# Altium PCB ER100_Driver.PcbDoc (part 1 of 2) (continued)
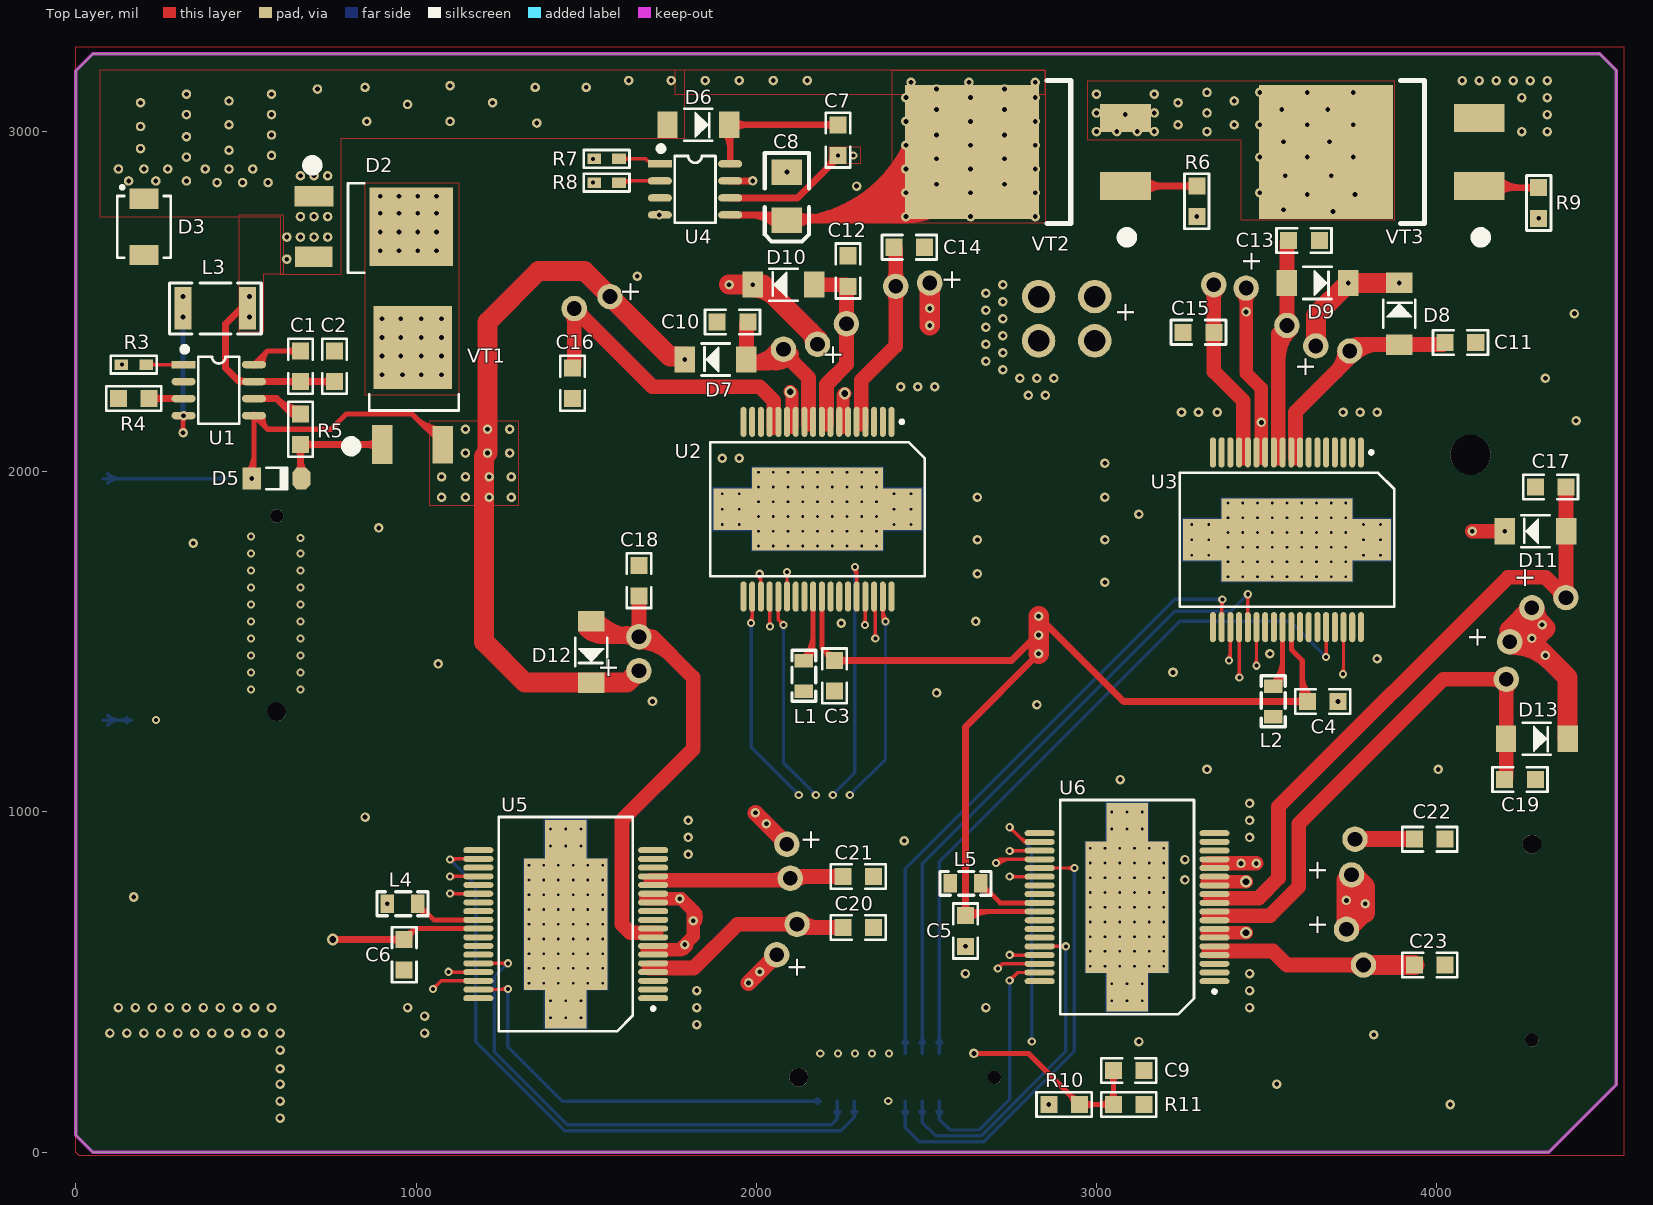
[diagram p0: Top Layer view]
## Footprints (in the part's own frame and the unit in brackets; to place one, negate y for a bottom-side part, rotate by r counter-clockwise, add the part's x,y. Pads: shape width x height; smd on the part's side, far side on the other; paste and mask are expansions set on the pad)
B2B_1.27_Female [mm]
  round 1 hole 1 unplated: 0(0,0)
  round 1.4 hole 1.4 unplated: 0(0,14.605)
  rect 2x0.78 smd: 1(1.778,13.005) 2(1.778,11.735) 3(1.778,10.465) 4(1.778,9.195) 5(1.778,7.925) 6(1.778,6.655) 7(1.778,5.385) 8(1.778,4.115) 9(1.778,2.845) 10(1.778,1.575) 11(-1.778,1.575) 12(-1.778,2.845) 13(-1.778,4.115) 14(-1.778,5.385) 15(-1.778,6.655) 16(-1.778,7.925) 17(-1.778,9.195) 18(-1.778,10.465) 19(-1.778,11.735) 20(-1.778,13.005)
  silkscreen extent -3,-0.64 3,15.88
"C 0805" [mil]
  rect 50x50 smd: 1(-45,0) 2(45,0)
  silkscreen extent -81,-36 81,36, body extent -39,-24 39,24, height 20
"CP 3528B" [mil]
  rect 75x90 smd: 1(-70.86,0) 2(70.87,0)
  silkscreen extent -132,-65 128,65, body extent -69,-55 69,55, height 75
DO-214AA [mm] "Molded Diode, 2-Leads, Body 4.31x3.62mm, IPC Medium Density"
  rect 1.5x2.15 smd: 1(-2.1,0) 2(2.1,0)
  silkscreen extent -2.3,-2 3.07,2, body extent -2.29,-1.97 2.28,1.97, height 2.44
DO-214AC [mil]
  rect 60x76.77 smd: 1(-91.03,0) 2(90.07,0)
  silkscreen extent -42,-47 41,47, body extent -84,-47 83,47, height 118
"L 0805" [mil]
  rect 40x55 smd: 1(-45,0) 2(45,0)
  silkscreen extent -75,-35 75,35, body extent -39,-24 39,24, height 35
"L 1812" [mil]
  rect 50x125 smd: 1(-95,0) 2(95,0)
  silkscreen extent -135,-75 135,75, body extent -89,-63 89,63, height 59
LED_0805 [mil]
  rect 60x50 smd: 1(-50,0)
  oct 60x50 smd: 2(50,0)
  silkscreen extent -90,-35 105,35, body extent -39,-25 39,25, height 32
LL34 [mm]
  rect 1.37x1.62 smd: 1(-1.855,0)
  oct 1.37x1.62 smd: 2(1.855,0)
  silkscreen extent -0.76,-0.8 0.78,0.8, body extent -1.7,-0.75 1.7,0.75, height 1.5
PowerSO-36 [mm] "SOP, 36-Leads, Body 15.90x11.00mm, Pitch 0.65mm, Thermal Pad 9.80.2x6.20.2mm, IPC Medium Density"
  rect 3.1x3.1 smd: 0(-6.223,0) 0(6.223,0)
  rect 9.8x6.2 smd: 0(0,0)
  oval 0.45x2.25 smd: 1(-5.525,-6.525) 2(-4.875,-6.525) 3(-4.225,-6.525) 4(-3.575,-6.525) 5(-2.925,-6.525) 6(-2.275,-6.525) 7(-1.625,-6.525) 8(-0.975,-6.525) 9(-0.325,-6.525) 10(0.325,-6.525) 11(0.975,-6.525) 12(1.625,-6.525) 13(2.275,-6.525) 14(2.925,-6.525) 15(3.575,-6.525) 16(4.225,-6.525) 17(4.875,-6.525) 18(5.525,-6.525) 19(5.525,6.525) 20(4.875,6.525) 21(4.225,6.525) 22(3.575,6.525) 23(2.925,6.525) 24(2.275,6.525) 25(1.625,6.525) 26(0.975,6.525) 27(0.325,6.525) 28(-0.325,6.525) 29(-0.975,6.525) 30(-1.625,6.525) 31(-2.275,6.525) 32(-2.925,6.525) 33(-3.575,6.525) 34(-4.225,6.525) 35(-4.875,6.525) 36(-5.525,6.525)
  Bottom Layer region: -7.874,-1.651 -4.826,-1.651 -4.826,1.651 -7.874,1.651
  Bottom Layer region: -4.953,-3.175 4.953,-3.175 4.953,3.175 -4.953,3.175
  Bottom Layer region: 4.826,-1.651 7.874,-1.651 7.874,1.651 4.826,1.651
  silkscreen extent -8,-6.65 8,5, body extent -8,-7.03 8,7.03, height 3.6
"R 0603" [mil]
  rect 40x31.5 smd: 1(-36.5,0) 2(36.5,0)
  silkscreen extent -67,-26 68,26, body extent -31,-16 31,16, height 16
"R 0805" [mil]
  rect 50x50 smd: 1(-45,0) 2(45,0)
  silkscreen extent -81,-36 81,36, body extent -39,-25 39,25, height 20
SMT_Connector [mil]
  rect 150x190 smd: 1(0,0)
  silkscreen extent -100,-125 100,125
SOP8 [mm]
  rect 1.8x0.55 smd: 1(-2.625,1.905)
  oval 1.8x0.55 smd: 2(-2.625,0.635) 3(-2.625,-0.635) 4(-2.625,-1.905) 5(2.625,-1.905) 6(2.625,-0.635) 7(2.625,0.635) 8(2.625,1.905)
  silkscreen extent -2.69,-2.5 1.52,3.2, body extent -3,-2.5 3,2.5, height 1.9
TO252 [mil]
  rect 60x115 smd: 1(-89.55,-119.77)
  rect 230x245 smd: 2(0,165.35)
  rect 60x110 smd: 3(88.45,-120.77)
  silkscreen extent -196,-140 135,28, body extent -127,-120 129,251, height 91
TO252_DIO [mil]
  rect 60x115 smd: 1(-89.55,-119.77)
  rect 60x110 smd: 1(88.45,-120.77)
  rect 230x245 smd: 2(0,165.35)
  silkscreen extent -196,-140 135,28, body extent -127,-120 129,251, height 91
TO263-3B [mm]
  rect 2.1x3.8 smd: 1(-2.54,-5.725) 3(2.54,-5.725)
  rect 10x10 smd: 2(0,5.725)
  silkscreen extent -6.75,-6.21 5.33,0.14, body extent -5,-5.74 5,9.19, height 4.5

## Part data
C1 C2 C3 C4 C5 C6 C7 C9 C10 C11 C12 C13 C14 C15 C16 C17 C18 C19 C20 C21 C22 C23: library part Cap, "无极性电容"
C8: library part Cap_Pol, "极性电容"
D1 D4: library part LED, "发光二极管"
D2 D6 D7 D8 D9 D10 D11 D12 D13: library part Diode, "二极管"
D3: library part P6SMBXX, "BiDir TVS Diode"
D5: library part Diode_Zener
J1 J2 J3 J4: "表贴接线端"
J5 J6 J7: library part B2B_1.27_Female, "板对板连接器 母头"
L1 L2 L4 L5: "电感"
L3: library part Inductor, "电感"
R1 R2 R3 R4 R5 R6 R7 R8 R9 R10 R11: library part Resistor, "电阻"
U1: "B2B MOSFET Driver"
U2 U3 U5 U6: "4路电磁阀驱动"
U4: "Half-Bridge Gate Driver"
VT1 VT2 VT3: library part PowerMos_N

## Free pads (board coordinates)
  round 28 hole 14: 0(710,3125) 0(2150,3150) 0(3470,848.83) 1(2530,3125) 1(3425,848.83) 2(2730,3125) 3(2625,3145) 3(3000,3055) 4(2455,3145) 4(3000,3000) 5(2820,3145) 5(3060,3000) 6(3120,3000) 7(3170,3000) 8(3170,3055) 9(3170,3110) 12(3085,3050) 13(3000,3110) 14(3240,3085) 15(3240,3020) 16(3325,3115) 17(3325,3055) 18(3325,3000) 19(3405,3020) 20(3405,3090) 21(1075,1985) 22(1145,2055) 23(1145,2125) 24(1210,2125) 25(1275,2125) 26(1210,2055) 27(1275,2055) 28(1145,1985) 29(1215,1985) 30(1280,1985) 30(1850,3150) 31(1280,1925) 31(1950,3150) 32(1215,1925) 32(2050,3150) 33(1145,1925) 34(1075,1925) 42(2435,915) 43(1750,3150) 49(660,2750) 50(740,2750) 51(700,2690) 52(660,2690) 53(740,2690) 54(660,2870) 55(700,2870) 56(740,2870) 57(700,2750) 59(620,2625) 60(620,2690) 61(325,3110) 62(325,2925) 63(325,2985) 64(325,3050) 65(575,2930) 66(575,2990) 67(575,3050) 68(575,3110) 69(450,2890) 70(520,2890) 71(380,2890) 72(270,2890) 73(200,2890) 74(125,2890) 75(155,2855) 76(235,2855) 77(325,2855) 78(415,2850) 79(490,2850) 80(565,2850) 81(850,3130) 82(855,3030) 83(975,3080) 84(1100,3135) 85(1100,3030) 86(1225,3085) 87(1350,3130) 88(1355,3025) 89(1500,3130) 90(1625,3150) 91(450,3090) 92(450,3020) 93(190,3085) 94(190,3015) 95(190,2950) 96(450,2945) 105(895,2810) 106(950,2810) 107(1005,2810) 108(1060,2810) 109(895,2760) 110(950,2760) 111(1005,2760) 112(1060,2760) 113(895,2705) 114(950,2705) 115(1005,2705) 116(1060,2705) 117(895,2650) 118(950,2650) 119(1005,2650) 120(1060,2650) 121(900,2450) 122(955,2450) 123(1015,2450) 124(1075,2450) 125(900,2395) 126(955,2395) 127(1015,2395) 128(1075,2395) 129(900,2340) 130(955,2340) 131(1015,2340) 132(1075,2340) 133(1075,2285) 134(1015,2285) 135(960,2285) 136(900,2285)
  round 118.11 hole 118.11 unplated: 0(4100,2050)
  round 74.8 hole 43.31: 1(1465,2480) 2(1570,2515) 3(1655,1415) 4(1655,1515) 5(2060,580) 6(2120,670) 7(2100,805) 8(2090,905) 9(2510,2555) 10(2410,2545) 11(2265,2435) 12(2180,2375) 13(2080,2360) 14(3345,2550) 15(3440,2540) 16(3560,2430) 17(3645,2370) 18(3745,2355) 19(3735,655) 20(3785,550) 21(3750,815) 22(3760,920) 23(4205,1390) 24(4215,1500) 25(4280,1600) 26(4380,1630)
  round 98.43 hole 62.99: 27(2830,2385) 28(2830,2515) 29(2995,2385) 30(2995,2515)

## Via types
v1: diameter 19.68, hole 7.87, Top Layer to Bottom Layer, 264 vias
v2: diameter 28, hole 14, Top Layer to Bottom Layer, 205 vias
v3: diameter 24, hole 12, Top Layer to Bottom Layer, 69 vias
v4: diameter 35, hole 20, Top Layer to Bottom Layer, 5 vias

## Nets (pads, with @x,y where several pads share a name; then routed paths per layer and width w, separated by ;. In a path a pad name is that pad's centre, name@x,y a point inside that pad or via, vN(x,y) a via of type N, cw(c..) or ccw(c..) an arc to the next point about the centre after c; other vN are vias at no path point)
CTGND_1: L1.1 U2.27 | length 350.9
  Top Layer w15: L1.1@2138.66,1453.84 ccw(c2069.75,1522.75) 2167.2,1522.75 ; L1.1@2140,1445 2167.2,1472.2 ; L1.1@2149.27,1443.23 ccw(c2105.96,1486.54) 2167.2,1486.54 ; L1.1@2159.75,1447.48 cw(c2186.51,1452.9) 2167.2,1472.2 ; U2.27@2167.2,1633.11 2167.2,1472.2
CTGND_2: L2.1 U3.27 | length 335.9
  Top Layer w15: L2.1@3518.66,1378.84 ccw(c3449.75,1447.75) 3547.2,1447.75 ; L2.1@3520,1370 3547.2,1397.2 ; L2.1@3529.27,1368.23 ccw(c3485.96,1411.54) 3547.2,1411.54 ; L2.1@3539.75,1372.48 cw(c3566.51,1377.9) 3547.2,1397.2 ; U3.27@3547.2,1543.11 3547.2,1397.2
CTGND_3: L4.1 U5.27 | length 235.6
  Top Layer w15: L4.1@1005,710 cw(c1005,661.72) 1039.14,695.86 ; L4.1@1005,730 1052.2,682.8 U5.27@1183.11,682.8
CTGND_4: L5.1 U6.27 | length 234.7
  Top Layer w15: L5.1@2660,770 cw(c2660,721.72) 2694.14,755.86 ; L5.1@2660,790 2717.2,732.8 U6.27@2833.11,732.8
DRI1_ENA: J5.9 U2.24 | length 1619.1
  Top Layer w10: v3@2085.05,1700.05 cw(c2072.05,1687.05) 2090.43,1687.05 ; U2.24@2087.7,1671.27 ccw(c2081.12,1677.86) 2090.43,1677.86 ccw(c2099.75,1677.86) U2.24@2093.16,1671.27 ; v3(2090,1705) 2090.43,1704.57 U2.24@2090.43,1633.11 ; 2090.43,1689.15 cw(c2105.85,1689.15) v3@2094.95,1700.05
  MidLayer2 w10: v3@660,1753 cw(c660,1736.1) 671.95,1748.05 cw(c683.9,1760) v3@667,1760 ; v3(660,1760) 685,1735 2060,1735 v3(2090,1705) ; v3@2083,1705 ccw(c2066.1,1705) 2078.05,1716.95 ccw(c2090,1728.9) v3@2090,1712
DRI2_ENA: J5.2 U3.24 | length 3273.8
  Top Layer w10: v3@3465.05,1434.95 ccw(c3452.05,1447.95) 3470.43,1447.95 ; U3.24@3467.7,1504.95 cw(c3461.12,1498.36) 3470.43,1498.36 cw(c3479.75,1498.36) U3.24@3473.16,1504.95 ; v3@3470.43,1430.43 U3.24@3470.43,1543.11 ; 3470.43,1445.85 ccw(c3485.85,1445.85) v3@3474.95,1434.95
  MidLayer2 w10: v3@660,1403 cw(c660,1386.1) 671.95,1398.05 cw(c683.9,1410) v3@667,1410 ; v3(660,1410) 861,1209 3389,1209 3470,1290 v3(3470,1430) ; v3@3465.05,1425.05 cw(c3453.1,1413.1) 3470,1413.1 cw(c3486.9,1413.1) v3@3474.95,1425.05
DRI3_ENA: J5.14 U5.24 | length 1621.1
  Top Layer w10: v3@1100.43,759.57 U5.24@1183.11,759.57 ; v3@1104.95,755.05 cw(c1115.85,744.15) 1115.85,759.57 ; v3@1104.95,764.95 ccw(c1117.95,777.95) 1117.95,759.57 ; U5.24@1144.95,756.84 ccw(c1138.36,750.25) 1138.36,759.57 ccw(c1138.36,768.88) U5.24@1144.95,762.3
  MidLayer2 w10: v3@508,1660 cw(c491.1,1660) 503.05,1648.05 cw(c515,1636.1) v3@515,1653 ; v3(515,1660) 370,1515 370,1179.79 789.79,760 v3(1100,760) ; v3@1095.05,755.05 ccw(c1083.1,743.1) 1083.1,760 ccw(c1083.1,776.9) v3@1095.05,764.95
DRI4_ENA: J5.18 U6.24 | length 2938.3
  Top Layer w10: v3(2745,810) 2745.43,809.57 U6.24@2833.11,809.57 ; v3@2749.95,805.05 cw(c2760.85,794.15) 2760.85,809.57 ; v3@2749.95,814.95 ccw(c2762.95,827.95) 2762.95,809.57 ; U6.24@2794.95,806.84 ccw(c2788.36,800.25) 2788.36,809.57 ccw(c2788.36,818.88) U6.24@2794.95,812.3
  MidLayer2 w10: v3@508,1460 cw(c491.1,1460) 503.05,1448.05 cw(c515,1436.1) v3@515,1453 ; v3(515,1460) 438,1383 438,1207.96 504.96,1141 2364,1141 2695,810 v3(2745,810) ; v3@2740.05,805.05 ccw(c2728.1,793.1) 2728.1,810 ccw(c2728.1,826.9) v3@2740.05,814.95
L_STB1: C10.1 D7.1 pad.13@2080,2360 U2.10 U2.11 | length 757.7
  Top Layer w43.31: C10.1@1975,2440 1971.03,2436.03 D7.1@1971.03,2330 D7.1@1981.03,2320 ; 2057.91,2320 ccw(c2057.91,2373.38) pad.13@2103.57,2345.72 ; pad.13@2064.25,2360 cw(c2026.23,2360) 2053.12,2333.12 cw(c2080,2306.23) pad.13@2080,2344.25 ; pad.13@2066.53,2368.16 cw(c1981.03,2419.97) D7.1@1981.03,2320 ; pad.13@2095.75,2360 ccw(c2157.91,2360) 2113.95,2316.05 ; 2153.54,2140 2153.54,2276.46 2080,2350 pad.13@2080,2360 2040,2320 D7.1@1981.03,2320
L_STB2: C12.1 D10.1 pad.11 U2.8 U2.9 | length 651.8
  Top Layer w43.31: D10.1@2171.03,2550 2265,2550 C12.1@2270,2545 2265,2540 pad.11@2265,2435 2265,2315 2206.46,2256.46 2206.46,2140 ; pad.11@2253.86,2423.86 cw(c2226.98,2396.98) 2265,2396.98 cw(c2303.02,2396.98) pad.11@2276.14,2423.86 ; pad.11@2253.86,2446.14 ccw(c2226.98,2473.02) 2265,2473.02 ccw(c2303.02,2473.02) pad.11@2276.14,2446.14
L_TC: C18.1 D12.1 pad.4@1655,1515 U5.8 U5.9 | length 1983.8
  Top Layer w43.31: D12.1@1498.66,1536.31 ccw(c1550.11,1587.75) 1550.11,1515 ; D12.1@1515,1561.03 1561.03,1515 pad.4@1655,1515 ; D12.1@1529.29,1566.93 ccw(c1654.66,1692.31) pad.4@1654.66,1515 ; D12.1@1531.73,1561.03 ccw(c1572.13,1561.03) D12.1@1543.56,1532.47 ; 1618.05,1524.81 ccw(c1627.97,1561.82) pad.4@1647.13,1528.64 ; 1618.46,1524.7 cw(c1608.69,1488.27) pad.4@1641.36,1507.13 ; pad.4@1643.86,1503.86 ccw(c1616.98,1476.98) 1616.98,1515 ccw(c1616.98,1553.02) 1643.86,1526.14 ccw(c1616.98,1553.02) 1655,1553.02 ccw(c1693.02,1553.02) 1666.14,1526.14 ccw(c1693.02,1553.02) 1693.02,1515 ccw(c1693.02,1476.98) pad.4@1666.14,1503.86 ; pad.4@1655,1499.25 cw(c1655,1364.66) 1750.17,1459.83 ; C18.1@1655,1635 pad.4@1655,1515 ; 1705,645 1630,645 1605,670 1605,975 1815,1185 1815,1395 1695,1515 pad.4@1655,1515
LB_INP: C22.1 pad.0@3470,848.83 pad.1@3425,848.83 pad.22@3760,920 U6.14 U6.15 | length 679.5
  Top Layer w43.31: 3330,848.83 pad.0@3470,848.83
  Top Layer w47.24: pad.22@3760,920 C22.1@3935,920
  MidLayer2 w47.24: pad.1@3425,848.83 3558.83,848.83 3630,920 pad.22@3760,920
LB_OUP: C15.2 pad.14@3345,2550 U3.14 U3.15 | length 605.4
  Top Layer w43.31: pad.14@3333.86,2538.86 cw(c3306.98,2511.98) 3345,2511.98 cw(c3383.02,2511.98) pad.14@3356.14,2538.86 ; pad.14@3345,2550 C15.2@3345,2410 3345,2295 3431.17,2208.83 3431.17,2040
LBI_PWM: J5.19 U6.22 | length 2909
  Top Layer w10: v3@2702.88,852.12 cw(c2723.71,831.29) 2723.71,860.75 ; v3(2705,850) 2715.75,860.75 ; v3@2705.54,856.98 ccw(c2706.55,869.94) 2715.75,860.75 ; v3@2709.95,845.05 cw(c2747.85,807.15) 2747.85,860.75 ; v3@2711.98,850.54 cw(c2724.94,851.55) 2715.75,860.75 ; U6.22@2794.95,858.02 ccw(c2788.36,851.43) 2788.36,860.75 ccw(c2788.36,870.06) U6.22@2794.95,863.48 ; U6.22@2833.11,860.75 2715.75,860.75
  MidLayer2 w10: v3@508,1410 cw(c491.1,1410) 503.05,1398.05 cw(c515,1386.1) v3@515,1403 ; v3(515,1410) 455,1350 455,1215 512,1158 2397,1158 v3(2705,850) ; v3@2698,850 ccw(c2681.1,850) 2693.05,861.95 ccw(c2705,873.9) v3@2705,857
LBI_STA: J6.5 U6.20 | length 1477.1
  Top Layer w10: v3@2745,948 cw(c2745,931.1) 2756.95,943.05 cw(c2768.9,955) v3@2752,955 ; v3(2745,955) 2788.07,911.93 U6.20@2833.11,911.93 ; 2774.69,925.31 ccw(c2797.68,948.29) U6.20@2797.68,915.79 ; U6.20@2794.95,909.2 ccw(c2788.36,902.61) 2788.36,911.93 ccw(c2788.36,921.24) U6.20@2794.95,914.66
  MidLayer2 w10: v3(2388,150) 2715,150 2810,245 v3(2810,325) ; v3@2392.95,145.05 cw(c2404.9,133.1) 2404.9,150 cw(c2404.9,166.9) v3@2392.95,154.95 ; v3@2805.05,320.05 cw(c2793.1,308.1) 2810,308.1 cw(c2826.9,308.1) v3@2814.95,320.05
  Bottom Layer w10: v3@2745,948 cw(c2745,931.1) 2756.95,943.05 cw(c2768.9,955) v3@2752,955 ; v3(2745,955) 2810,890 v3(2810,325) ; v3@2805.05,329.95 ccw(c2793.1,341.9) 2810,341.9 ccw(c2826.9,341.9) v3@2814.95,329.95
LBO_PWM: J5.3 U3.22 | length 3164.3
  Top Layer w10: v3@3415.05,1399.95 ccw(c3403.1,1411.9) 3420,1411.9 ccw(c3436.9,1411.9) v3@3424.95,1399.95 ; U3.22@3416.52,1504.95 cw(c3408.13,1496.56) 3420,1496.56 ; U3.22@3419.25,1543.11 3420,1542.36 v3(3420,1395)
  MidLayer2 w10: v3@660,1453 cw(c660,1436.1) 671.95,1448.05 cw(c683.9,1460) v3@667,1460 ; v3(660,1460) 894,1226 3251,1226 v3(3420,1395) ; v3@3413,1395 cw(c3396.1,1395) 3408.05,1383.05 cw(c3420,1371.1) v3@3420,1388
LBO_STA: J6.15 U3.20 | length 1992.7
  Top Layer w10: v3@3365.05,1620.05 cw(c3357.76,1612.76) 3368.07,1612.76 ; U3.20@3365.34,1581.27 ccw(c3358.76,1587.86) 3368.07,1587.86 ccw(c3377.39,1587.86) U3.20@3370.8,1581.27 ; U3.20@3368.07,1543.11 3368.07,1623.07 v3(3370,1625) ; 3368.07,1603.44 cw(c3391.56,1603.44) v3@3374.95,1620.05
  Bottom Layer w10: J6.15@2430.68,321.34 ccw(c2413,339.01) 2438,339.01 ccw(c2463,339.01) J6.15@2445.32,321.34 ; J6.15@2438,290 2438,833 3230,1625 v3(3370,1625) ; v3@3365.05,1620.05 ccw(c3353.1,1608.1) 3353.1,1625 ccw(c3353.1,1641.9) v3@3365.05,1629.95
LF_INP: C20.1 pad.6@2120,670 U5.4 U5.5 | length 743.9
  Top Layer w43.31: 1685,541.17 1816.17,541.17 1945,670 pad.6@2120,670 2130,660 C20.1@2255,660 ; pad.6@2108.86,658.86 ccw(c2081.98,631.98) 2081.98,670 ccw(c2081.98,708.02) pad.6@2108.86,681.14 ; pad.6@2131.14,681.14 ccw(c2182.16,732.16) 2182.16,660
LF_OUP: C16.1 pad.1@1465,2480 U2.14 U2.15 | length 1073.8
  Top Layer w43.31: pad.1@1453.86,2468.86 cw(c1426.98,2441.98) 1465,2441.98 cw(c1503.02,2441.98) pad.1@1476.14,2468.86 ; C16.1@1460,2305 1465,2310 pad.1@1465,2480 1695,2250 2010,2250 2051.17,2208.83 2051.17,2130 ; pad.1@1465,2464.25 cw(c1465,2426.23) 1491.88,2453.12 cw(c1518.77,2480) pad.1@1480.75,2480
LFI_PWM: J5.13 U5.33 | length 1795.3
  Top Layer w10: v3(1095,530) 1095.75,529.25 U5.33@1183.11,529.25 ; v3@1099.95,525.05 cw(c1110.09,514.91) 1110.09,529.25 ; v3@1099.95,534.95 ccw(c1113.71,548.71) 1113.71,529.25 ; U5.33@1144.95,526.52 ccw(c1138.36,519.94) 1138.36,529.25 ccw(c1138.36,538.57) U5.33@1144.95,531.98
  MidLayer2 w10: v3@508,1710 cw(c491.1,1710) 503.05,1698.05 cw(c515,1686.1) v3@515,1703 ; v3(515,1710) 353,1548 353,1172.75 995.75,530 v3(1095,530) ; v3@1090.05,525.05 ccw(c1078.1,513.1) 1078.1,530 ccw(c1078.1,546.9) v3@1090.05,534.95
LFI_STA: J6.1 U5.35 | length 1349
  Top Layer w10: U5.35@1183.11,478.07 1268.07,478.07 v3(1270,480) ; U5.35@1221.27,475.34 cw(c1227.86,468.76) 1227.86,478.07 cw(c1227.86,487.39) U5.35@1221.27,480.8 ; 1248.44,478.07 ccw(c1248.44,501.56) v3@1265.05,484.95 ; 1257.76,478.07 cw(c1257.76,467.76) v3@1265.05,475.05
  Bottom Layer w10: v3@1265.05,475.05 cw(c1253.1,463.1) 1270,463.1 cw(c1286.9,463.1) v3@1274.95,475.05 ; v3(1270,480) 1270,310 1430,150 J6.1@2188,150 ; J6.1@2180.68,142.68 ccw(c2163,125) 2163,150 ccw(c2163,175) J6.1@2180.68,157.32
LFO_PWM: J5.6 U2.22 | length 1609.2
  Top Layer w10: v3@2035.05,1549.95 ccw(c2023.1,1561.9) 2040,1561.9 ccw(c2056.9,1561.9) v3@2044.95,1549.95 ; U2.22@2036.52,1594.95 cw(c2028.13,1586.56) 2040,1586.56 ; U2.22@2039.25,1633.11 2040,1632.36 v3(2040,1545)
  MidLayer2 w10: v3(660,1610) 690,1640 1945,1640 v3(2040,1545) ; v3@660,1617 ccw(c660,1633.9) 671.95,1621.95 ccw(c683.9,1610) v3@667,1610 ; v3@2033,1545 ccw(c2016.1,1545) 2028.05,1556.95 ccw(c2040,1568.9) v3@2040,1552
LFO_STA: J6.19 U2.20 | length 1592.3
  Top Layer w10: v3@1980.05,1559.95 ccw(c1960.69,1579.31) 1988.07,1579.31 ; v3(1985,1555) 1988.07,1558.07 U2.20@1988.07,1633.11 ; U2.20@1985.34,1594.95 cw(c1978.76,1588.36) 1988.07,1588.36 cw(c1997.39,1588.36) U2.20@1990.8,1594.95
  MidLayer2 w10: v3@2125,1043 cw(c2125,1026.1) 2136.95,1038.05 cw(c2148.9,1050) v3@2132,1050 ; v3(2125,1050) 2240,935 v3(2240,290) ; v3@2235.05,294.95 ccw(c2223.1,306.9) 2240,306.9 ccw(c2256.9,306.9) v3@2244.95,294.95
  Bottom Layer w10: v3@1980.05,1550.05 cw(c1968.1,1538.1) 1985,1538.1 cw(c2001.9,1538.1) v3@1989.95,1550.05 ; v3(1985,1555) 1985,1190 v3(2125,1050) ; v3@2118,1050 ccw(c2101.1,1050) 2113.05,1061.95 ccw(c2125,1073.9) v3@2125,1057
LSTB1_PWM: J5.8 U2.21 | length 1548
  Top Layer w10: v3@2005.05,1695.05 cw(c1984.26,1674.26) U2.21@2013.66,1674.26 ; v3(2010,1700) 2013.66,1696.34 U2.21@2013.66,1633.11 ; U2.21@2010.93,1671.27 ccw(c2004.35,1677.86) 2013.66,1677.86 ccw(c2022.98,1677.86) U2.21@2016.39,1671.27
  MidLayer2 w10: v3(660,1710) 2000,1710 v3(2010,1700) ; v3@664.95,1705.05 cw(c676.9,1693.1) 676.9,1710 cw(c676.9,1726.9) v3@664.95,1714.95 ; 1968.96,1710 cw(c1968.96,1658.96) v3@2005.05,1695.05 ; 1993.1,1710 cw(c1993.1,1683.1) v3@2012.12,1702.12
LSTB1_STA: J6.18 U2.23 | length 1583.7
  Top Layer w10: U2.23@2062.11,1594.95 cw(c2055.15,1587.98) 2065,1587.98 ; U2.23@2064.84,1633.11 2065,1632.95 2065,1565 v3(2080,1550) ; 2065,1588.74 cw(c2073.78,1588.74) U2.23@2067.57,1594.95 ; v3@2073,1550 ccw(c2056.1,1550) 2068.05,1561.95 ccw(c2080,1573.9) v3@2080,1557
  MidLayer2 w10: v3@2175,1043 cw(c2175,1026.1) 2186.95,1038.05 cw(c2198.9,1050) v3@2182,1050 ; v3(2175,1050) 2290,935 v3(2290,290) ; v3@2285.05,294.95 ccw(c2273.1,306.9) 2290,306.9 ccw(c2306.9,306.9) v3@2294.95,294.95
  Bottom Layer w10: v3@2075.05,1545.05 cw(c2063.1,1533.1) 2080,1533.1 cw(c2096.9,1533.1) v3@2084.95,1545.05 ; v3(2080,1550) 2080,1145 v3(2175,1050) ; v3@2168,1050 ccw(c2151.1,1050) 2163.05,1061.95 ccw(c2175,1073.9) v3@2175,1057
LSTB2_PWM: J5.5 U2.34 | length 1984.3
  Top Layer w10: U2.34@2343.61,1594.95 cw(c2328.18,1579.52) 2350,1579.52 ; v3@2345.05,1514.95 ccw(c2333.1,1526.9) 2350,1526.9 ccw(c2366.9,1526.9) v3@2354.95,1514.95 ; U2.34@2346.34,1633.11 2350,1629.45 v3(2350,1510)
  MidLayer2 w10: v3(660,1560) 723,1623 1865,1623 1978,1510 v3(2350,1510) ; v3@660,1567 ccw(c660,1583.9) 671.95,1571.95 ccw(c683.9,1560) v3@667,1560 ; v3@2345.05,1505.05 ccw(c2333.1,1493.1) 2333.1,1510 ccw(c2333.1,1526.9) v3@2345.05,1514.95
LSTB2_STA: J6.17 U2.32 | length 1741.5
  Top Layer w10: v3@2285.05,1715.05 cw(c2260.65,1690.65) 2295.16,1690.65 ; v3(2290,1720) 2295.16,1714.84 U2.32@2295.16,1633.11 ; U2.32@2292.43,1671.27 ccw(c2285.84,1677.86) 2295.16,1677.86 ccw(c2304.47,1677.86) U2.32@2297.89,1671.27
  MidLayer2 w10: v3@2225,1043 cw(c2225,1026.1) 2236.95,1038.05 cw(c2248.9,1050) v3@2232,1050 ; v3(2225,1050) 2340,935 v3(2340,290) ; v3@2335.05,294.95 ccw(c2323.1,306.9) 2340,306.9 ccw(c2356.9,306.9) v3@2344.95,294.95
  Bottom Layer w10: v3(2225,1050) 2290,1115 v3(2290,1720) ; v3@2225,1057 ccw(c2225,1073.9) 2236.95,1061.95 ccw(c2248.9,1050) v3@2232,1050 ; v3@2285.05,1715.05 cw(c2273.1,1703.1) 2290,1703.1 cw(c2306.9,1703.1) v3@2294.95,1715.05
LTC_PWM: J5.12 U5.34 | length 1903.6
  Top Layer w10: v3(1050,480) 1073.66,503.66 U5.34@1183.11,503.66 ; v3@1050,487 ccw(c1050,503.9) 1061.95,491.95 ccw(c1073.9,480) v3@1057,480 ; U5.34@1144.95,500.93 ccw(c1138.36,494.35) 1138.36,503.66 ccw(c1138.36,512.98) U5.34@1144.95,506.39
  MidLayer2 w10: v3@508,1760 cw(c491.1,1760) 503.05,1748.05 cw(c515,1736.1) v3@515,1753 ; v3(515,1760) 336,1581 336,1165.71 1021.71,480 v3(1050,480) ; v3@1045.05,475.05 ccw(c1033.1,463.1) 1033.1,480 ccw(c1033.1,496.9) v3@1045.05,484.95
LTC_STA: J6.2 U5.32 | length 1627
  Top Layer w10: U5.32@1183.11,554.84 1269.84,554.84 v3(1270,555) ; U5.32@1221.27,552.11 cw(c1227.86,545.53) 1227.86,554.84 cw(c1227.86,564.16) U5.32@1221.27,557.57 ; 1252.72,554.84 ccw(c1252.72,572.28) v3@1265.05,559.95 ; 1253.48,554.84 cw(c1253.48,538.48) v3@1265.05,550.05
  Bottom Layer w10: v3@1263,555 cw(c1246.1,555) 1258.05,543.05 cw(c1270,531.1) v3@1270,548 ; v3(1270,555) 1230,515 1230,295 1445,80 2220,80 2238,98 J6.2@2238,150 ; J6.2@2230.68,118.66 cw(c2213,100.99) 2238,100.99 cw(c2263,100.99) J6.2@2245.32,118.66
MOTOR+: C7.2 pad.3@3000,3055 pad.4@3000,3000 pad.5@3060,3000 pad.6@3120,3000 pad.7@3170,3000 pad.8@3170,3055 pad.9@3170,3110 pad.12@3085,3050 pad.13@3000,3110 pad.14@3240,3085 pad.15@3240,3020 pad.16@3325,3115 pad.17@3325,3055 pad.18@3325,3000 pad.19@3405,3020 pad.20@3405,3090 pad.29@2995,2385 pad.30@2995,2515 U4.6 VT2.3 VT3.2 | length 1588.6
  Top Layer w20: U4.6@1923.35,2805 2120.67,2805 2240,2924.33 v3(2240,2930) ; 2210.38,2894.72 ccw(c2175.1,2930) C7.2@2225,2930 ; C7.2@2224.07,2908.4 cw(c2240,2892.47) C7.2@2240,2915 ; C7.2@2232.58,2916.91 ccw(c2219.49,2930) C7.2@2238,2930
  MidLayer1 w25: v3(2240,2930) v3(2285,2930) 2325,2970 2325,3135 2380,3190 3010,3190 3085,3115 pad.12@3085,3050
  other v2: 3695,2765 3550,2770 3620,2815 3760,2815 3480,2820 3555,2870 3690,2870 3480,2925 3620,2925 3755,2925 3550,2970 3685,2970 3480,3020 3620,3020 3755,3020 3545,3065 3680,3065 3480,3115 3620,3115 3755,3115
NetC1_1: C1.1 U1.8 | length 313.5
  Top Layer w15: U1.8@521.75,2310.01 cw(c527.13,2311.04) U1.8@523.26,2314.91 ; U1.8@523.35,2315 563.35,2355 ; U1.8@536.49,2312.82 cw(c560.81,2317.45) 543.3,2334.95 ; U1.8@551.22,2315.62 cw(c594.49,2323.85) 563.35,2355 ; C1.1@647.63,2342.63 ccw(c617.75,2312.75) 617.75,2355 ccw(c617.75,2397.25) C1.1@647.63,2367.37 ; C1.1@660,2355 563.35,2355
  Top Layer w20: U1.8@523.35,2315 U1.8@545,2315
NetC7_1: C7.1 D6.2 U4.8 | length 644.9
  Top Layer w20: D6.2@1905.93,2997.47 cw(c1863.88,2955.43) 1923.35,2955.43 ; U4.8@1923.35,2905 1923.35,3016.73 D6.2@1920.07,3020 C7.1@2240,3020 ; 1923.35,2971.23 cw(c1960.45,2971.23) D6.2@1934.21,2997.47 ; D6.2@1934.21,3005.86 cw(c1968.36,2971.72) 1968.36,3020 cw(c1968.36,3068.28) D6.2@1934.21,3034.14 ; C7.1@2229.39,3009.39 ccw(c2203.79,2983.79) 2203.79,3020 ccw(c2203.79,3056.21) C7.1@2229.39,3030.61
NetC9_2: C9.2 J6.11 R10.1 R11.1 | length 928.6
  Top Layer w15: v2(2640,290) 2800,290 R10.1@2950,140 R11.1@3050,140 C9.2@3050,240 ; v2@2644.6,285.4 cw(c2655.69,274.31) 2655.69,290 cw(c2655.69,305.69) v2@2644.6,294.6 ; R10.1@2932.5,140 ccw(c2890.25,140) 2920.13,169.87 ccw(c2950,199.75) R10.1@2950,157.5 ; R10.1@2962.37,127.63 cw(c2992.25,97.75) 2992.25,140 cw(c2992.25,182.25) R10.1@2962.37,152.37 ; R11.1@3037.63,127.63 ccw(c3007.75,97.75) 3007.75,140 ccw(c3007.75,182.25) 3037.63,152.37 ccw(c3007.75,182.25) 3050,182.25 ccw(c3092.25,182.25) R11.1@3062.37,152.37 ; C9.2@3037.63,227.63 cw(c3007.75,197.75) 3050,197.75 cw(c3092.25,197.75) C9.2@3062.37,227.63
NetD1_1: D1.1 R1.2 | length 480.1
  Bottom Layer w10: D1.1@80,1980 R1.2@443.5,1980 ; D1.1@94.14,1965.86 cw(c128.29,1931.71) 128.29,1980 cw(c128.28,2028.28) D1.1@94.14,1994.14 ; R1.2@431.64,1972.4 ccw(c413.3,1954.06) 413.3,1980 ccw(c413.3,2005.95) R1.2@431.64,1987.6
NetD2_2: D2.2 pad.105 pad.106 pad.107 pad.108 pad.109 pad.110 pad.111 pad.112 pad.113 pad.114 pad.115 pad.116 pad.117 pad.118 pad.119 pad.120 pad.121 pad.122 pad.123 pad.124 pad.125 pad.126 pad.127 pad.128 pad.129 pad.130 pad.131 pad.132 pad.133 pad.134 pad.135 pad.136 VT1.2
NetD4_1: D4.1 R2.1 | length 200.1
  Bottom Layer w10: D4.1@80,1270 R2.1@163.5,1270 ; D4.1@94.14,1255.86 cw(c128.28,1221.72) 128.28,1270 cw(c128.29,1318.29) D4.1@94.14,1284.14 ; R2.1@151.65,1262.4 ccw(c133.3,1244.05) 133.3,1270 ccw(c133.3,1295.94) R2.1@151.65,1277.6
NetD5_2: D5.2 R5.2 VT1.1 | length 595.8
  Top Layer w20: R5.2@649.39,2069.39 cw(c623.79,2043.79) 660,2043.79 cw(c696.21,2043.79) 670.61,2069.39 cw(c696.76,2043.24) 696.76,2080.23 ; D5.2@651.03,1996.92 ccw(c629.38,2018.57) 660,2018.57 ; 660,2033.21 ccw(c711.32,2033.21) D5.2@675.03,1996.92 ; D5.2@663.03,1980 660,1983.03 R5.2@660,2080 660.23,2080.23 VT1.1@900.45,2080.23 ; R5.2@670.61,2090.61 ccw(c695.66,2115.66) 695.66,2080.23 ; VT1.1@886.31,2066.09 ccw(c852.16,2031.94) 852.16,2080.23 ccw(c852.16,2128.51) VT1.1@886.31,2094.37
NetL3_1: L3.1 U1.4 | length 636.3
  Top Layer w15: v2@310.4,2119.6 ccw(c299.31,2130.69) 315,2130.69 ccw(c330.69,2130.69) v2@319.6,2119.6 ; v2(315,2115) 315,2163.35 v2(316.65,2165) ; 315,2145.32 cw(c336.34,2145.32) U1.4@321.25,2160.4 ; v2@315,2152.98 cw(c328.68,2152.98) U1.4@319.01,2162.65
  Bottom Layer w15: v2@310.4,2119.6 ccw(c299.31,2130.69) 315,2130.69 ccw(c330.69,2130.69) v2@319.6,2119.6 ; v2@310.4,2450.4 cw(c299.31,2439.31) 315,2439.31 cw(c330.69,2439.31) v2@319.6,2450.4 ; v2@310.4,2459.6 ccw(c299.31,2470.69) 315,2470.69 ccw(c330.69,2470.69) v2@319.6,2459.6 ; v2@310.4,2510.4 cw(c299.31,2499.31) 315,2499.31 cw(c330.69,2499.31) v2@319.6,2510.4 ; v2(315,2115) 315,2163.35 v2(316.65,2165) 315,2166.65 v2(315,2515) ; 315,2145.32 cw(c336.34,2145.32) v2@321.25,2160.4 ; 315,2184.68 ccw(c336.34,2184.68) v2@321.25,2169.6
  other v2: 315,2455
NetR3_2: R3.2 U1.1 | length 173
  Top Layer w10: R3.2@206.5,2315 U1.1@316.65,2315 ; R3.2@218.36,2307.4 cw(c236.7,2289.06) 236.7,2315 cw(c236.7,2340.95) R3.2@218.36,2322.6 ; 277.97,2315 cw(c277.97,2300.93) U1.1@287.93,2310.88 ; 277.99,2315 ccw(c277.99,2329.06) U1.1@287.93,2319.12
NetR4_2: R4.2 U1.3 | length 158.5
  Top Layer w20: R4.2@215,2215 U1.3@316.65,2215 ; R4.2@225.61,2204.39 cw(c251.21,2178.79) 251.21,2215 cw(c251.21,2251.21) R4.2@225.61,2225.61
NetR5_1: R5.1 U1.6 | length 269.1
  Top Layer w20: U1.6@523.35,2215 590,2215 635,2170 R5.1@660,2170 ; 591.72,2213.28 ccw(c660,2281.57) R5.1@660,2185 ; 625.86,2179.14 ccw(c660,2213.28) R5.1@660,2165
NetR6_1: R6.1 U4.7 | length 1473.1
  Top Layer w20: U4.7@1923.35,2855 v2(1990,2855)
  MidLayer1 w20: v2(1990,2855) 2165,2680 3225,2680 v2(3295,2750)
NetR6_2: R6.2 VT2.1 | length 385.3
  Top Layer w20: VT2.1@3085.39,2840 R6.2@3295,2840 ; VT2.1@3141.02,2817.84 cw(c3194.52,2764.34) 3194.52,2840 cw(c3194.52,2915.66) VT2.1@3141.02,2862.16 ; R6.2@3284.39,2829.39 ccw(c3258.79,2803.79) 3258.79,2840 ccw(c3258.79,2876.21) R6.2@3284.39,2850.61
NetR7_2: R7.2 U4.1 | length 182.1
  Top Layer w10: R7.2@1596.5,2920 1675,2920 1690,2905 U4.1@1716.65,2905 ; R7.2@1608.36,2912.4 cw(c1626.7,2894.06) 1626.7,2920 cw(c1626.7,2945.95) R7.2@1608.36,2927.6 ; 1678.61,2916.39 ccw(c1692.05,2929.84) U4.1@1692.05,2910.83
NetR8_2: R8.2 U4.2 | length 178.1
  Top Layer w10: R8.2@1596.5,2850 1601.5,2855 U4.2@1716.65,2855 ; R8.2@1608.36,2842.4 cw(c1638.77,2811.99) 1638.77,2855 ; U4.2@1687.93,2850.88 ccw(c1677.98,2840.93) 1677.98,2855 ccw(c1677.98,2869.07) U4.2@1687.93,2859.12
NetR9_1: R9.1 U4.4 | length 2667.8
  MidLayer2 w20: v2(1715,2755) 1820,2650 4205,2650 v2(4300,2745)
NetR9_2: R9.2 VT3.1 | length 352.4
  Top Layer w20: VT3.1@4125.39,2840 4130.39,2835 R9.2@4300,2835 ; VT3.1@4181.02,2817.84 cw(c4222.45,2776.41) 4222.45,2835 ; VT3.1@4181.02,2862.16 ccw(c4246.59,2927.73) 4246.59,2835 ; R9.2@4289.39,2824.39 ccw(c4263.79,2798.79) 4263.79,2835 ccw(c4263.79,2871.21) R9.2@4289.39,2845.61